# Altium PCB HIL_RIG_REV_1_1.PcbDoc (part 1 of 5)
Units mil, origin at the board's own origin, x right, y up, seen from the top; angles counter-clockwise.
Board outline 16250 x 7870 mil, 6 copper layers (Top Layer, Int1 (GND), Int2 (PWR), Int3 (Sign), Int4 (GND), Bottom Layer), stack 60.566 mil thick; 1117 components, 704 nets, 3589 pads, 6 vias.
Unrouted connection lines stored in the file: 2596.
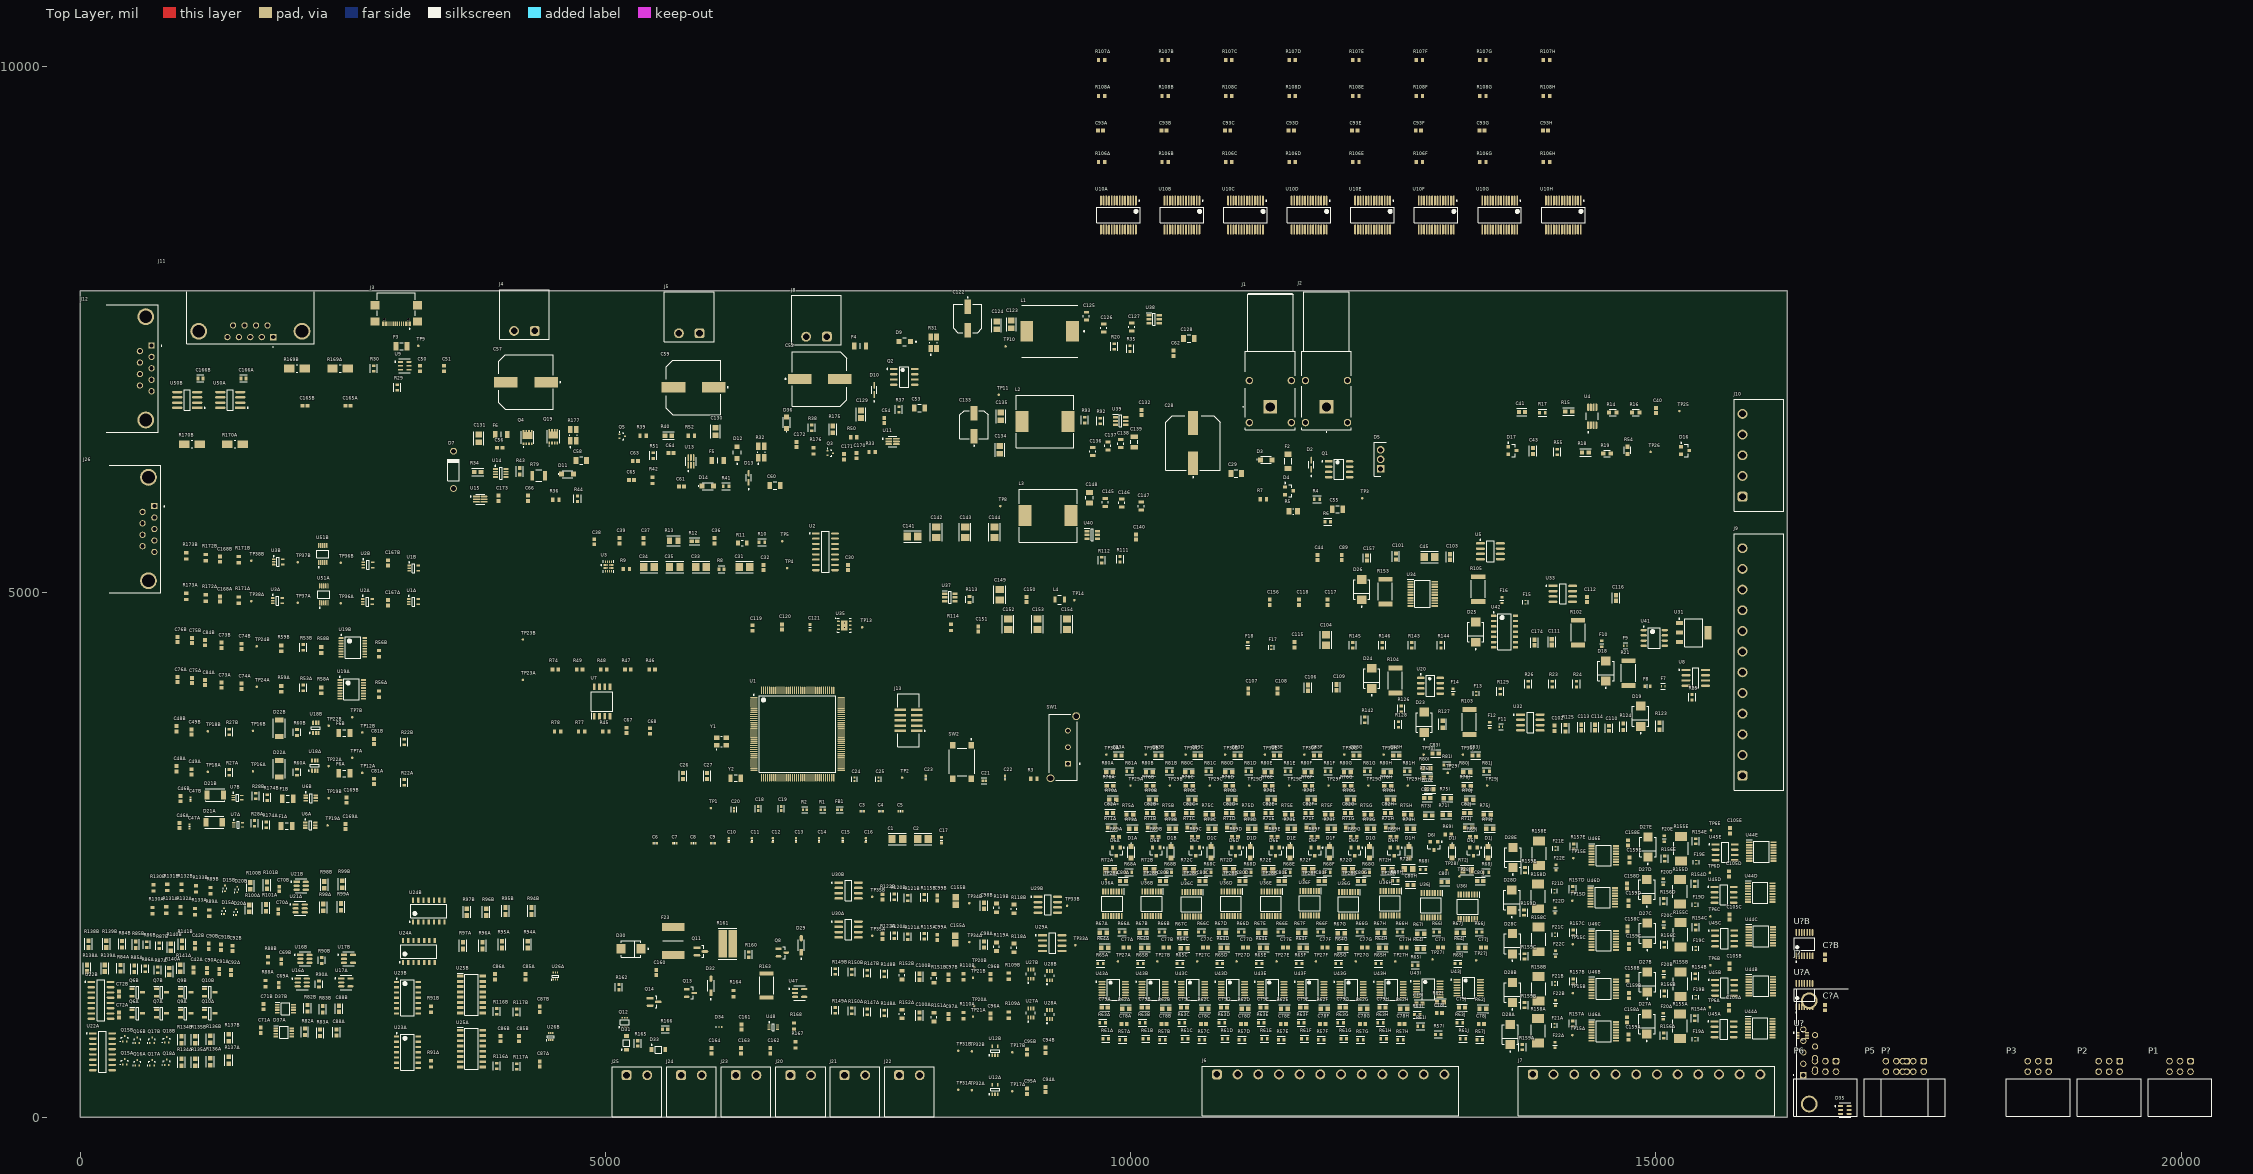
[diagram p0: Top Layer view]
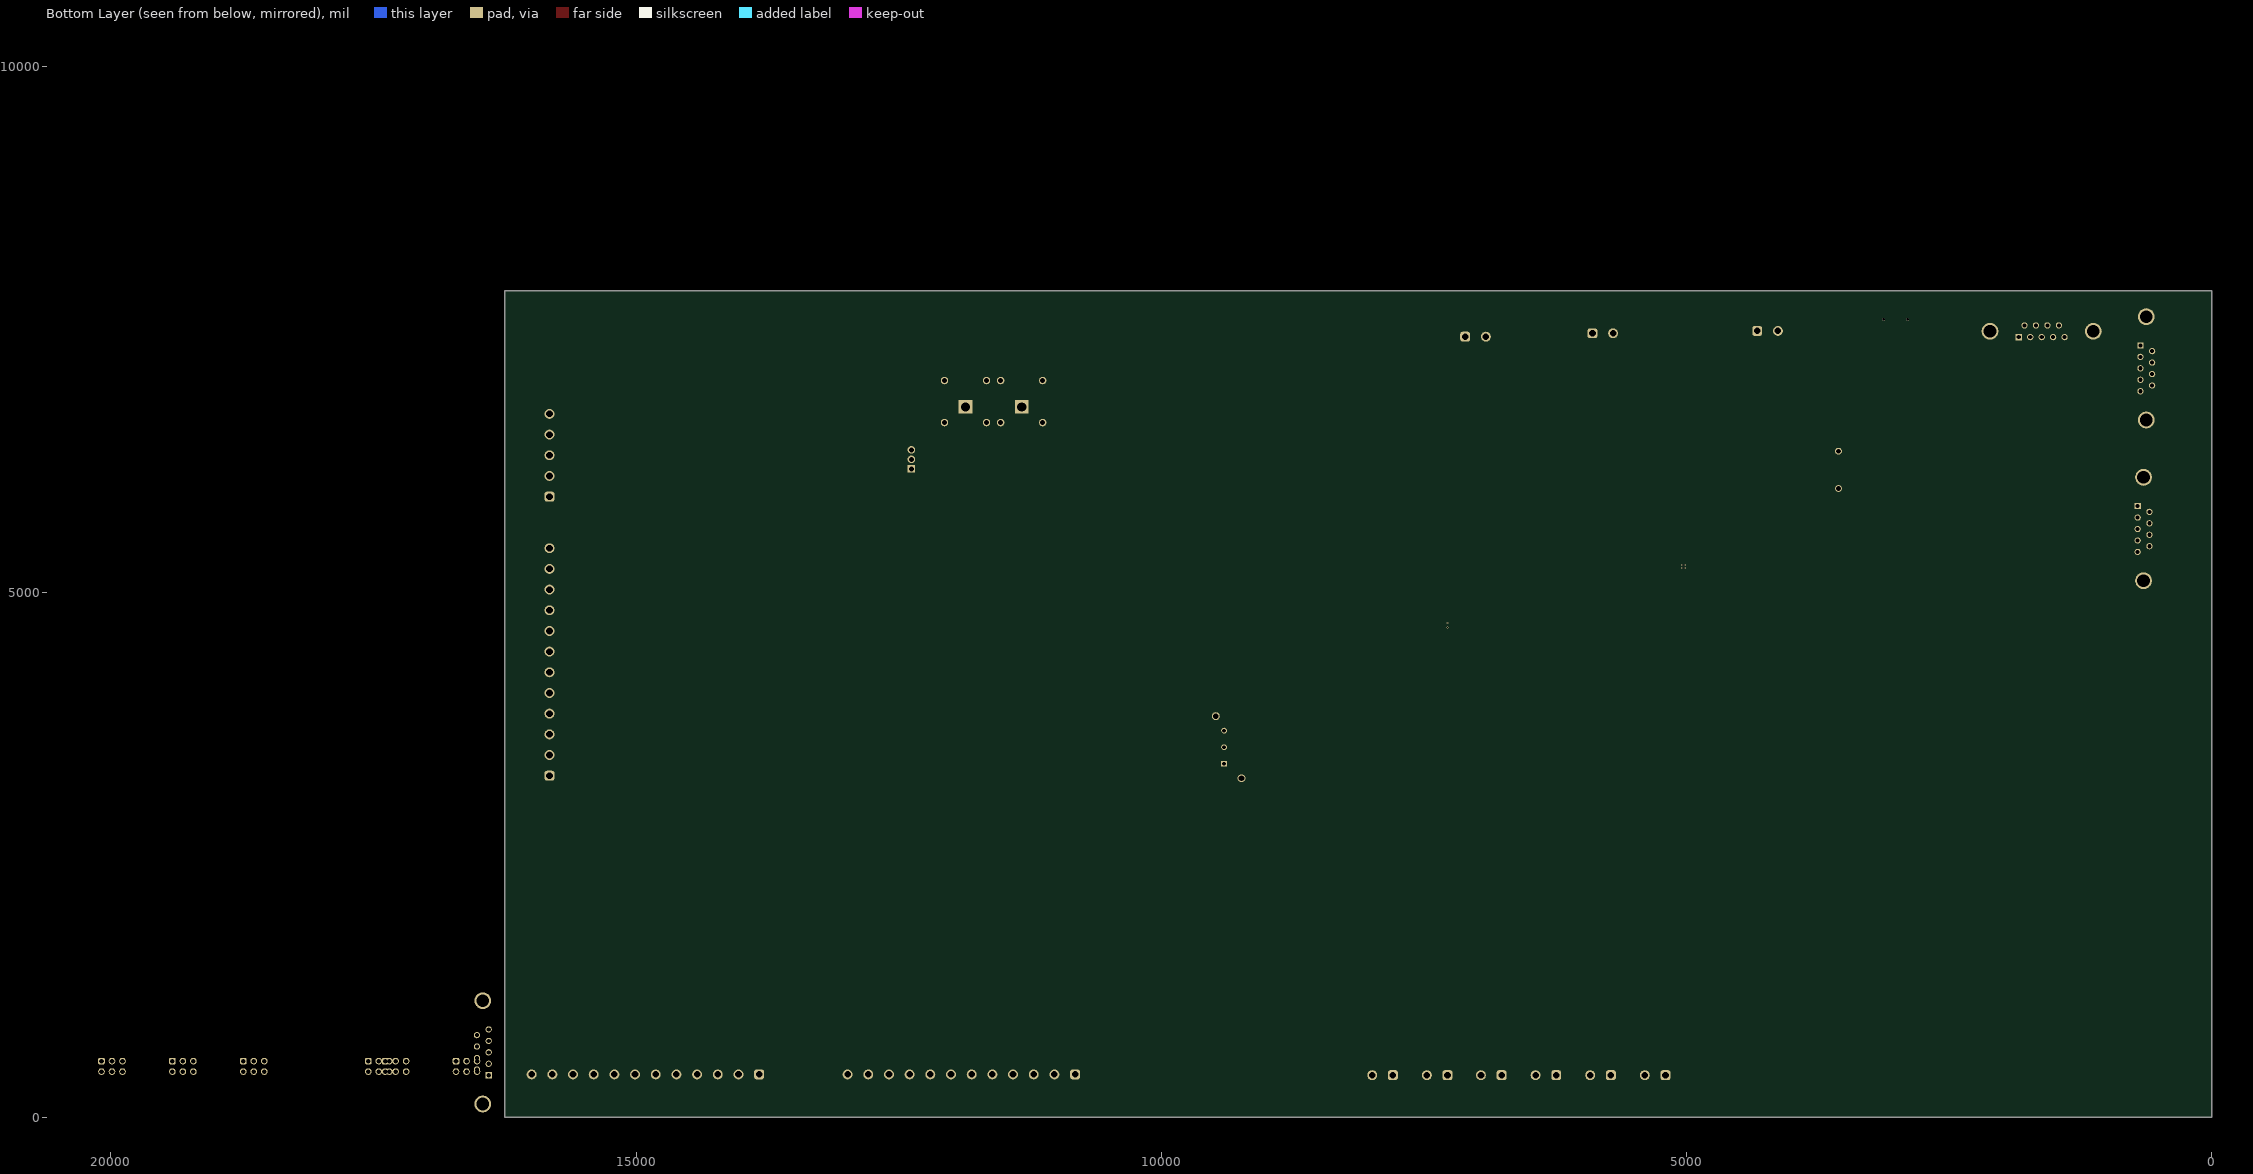
[diagram p1: Bottom Layer view, seen from below]
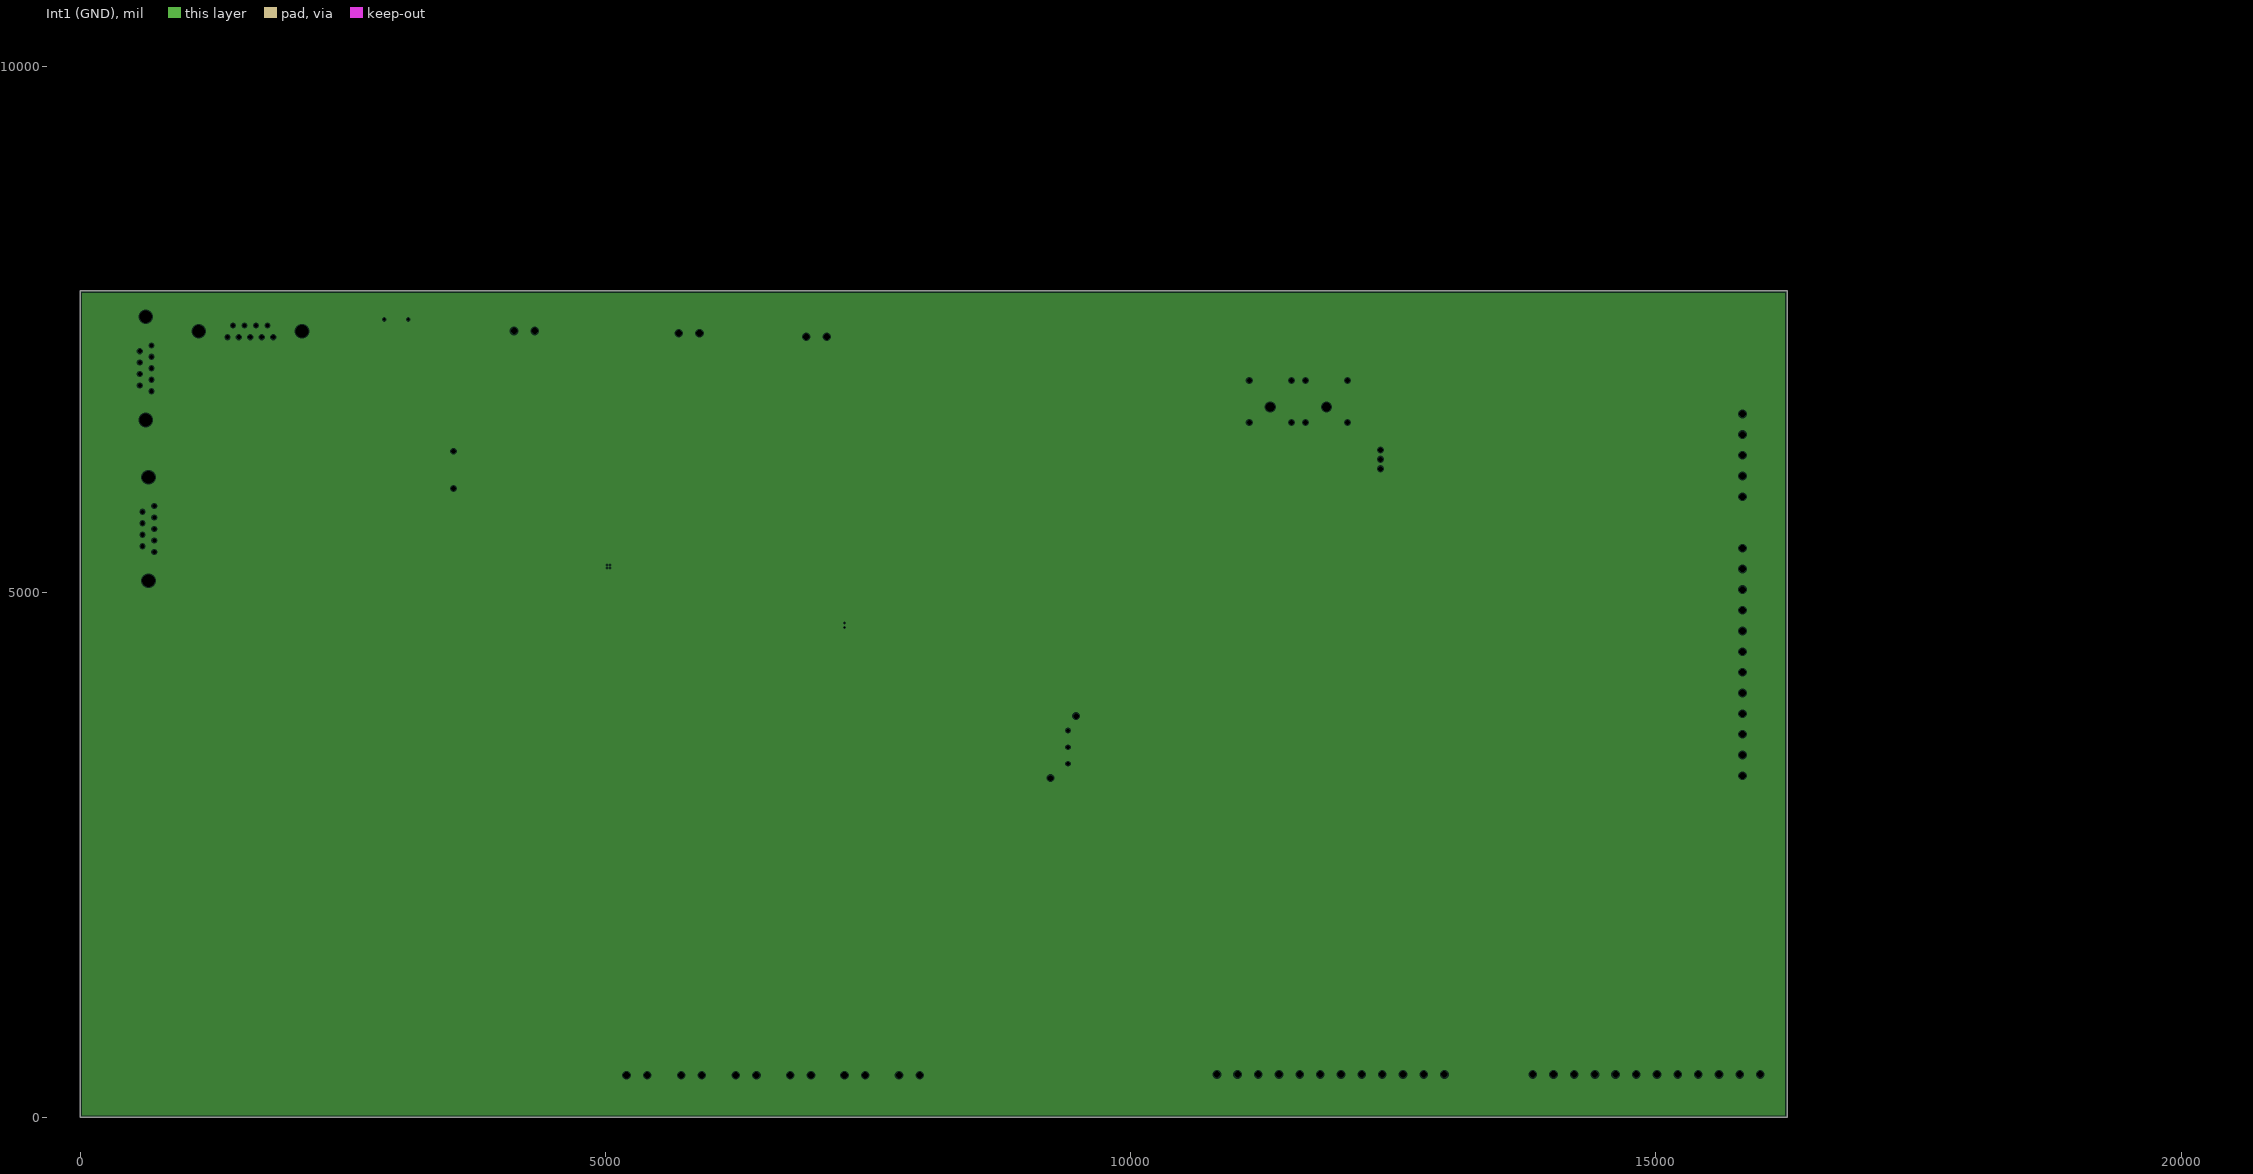
[diagram p2: Int1 (GND), clearances drawn from the general rule]
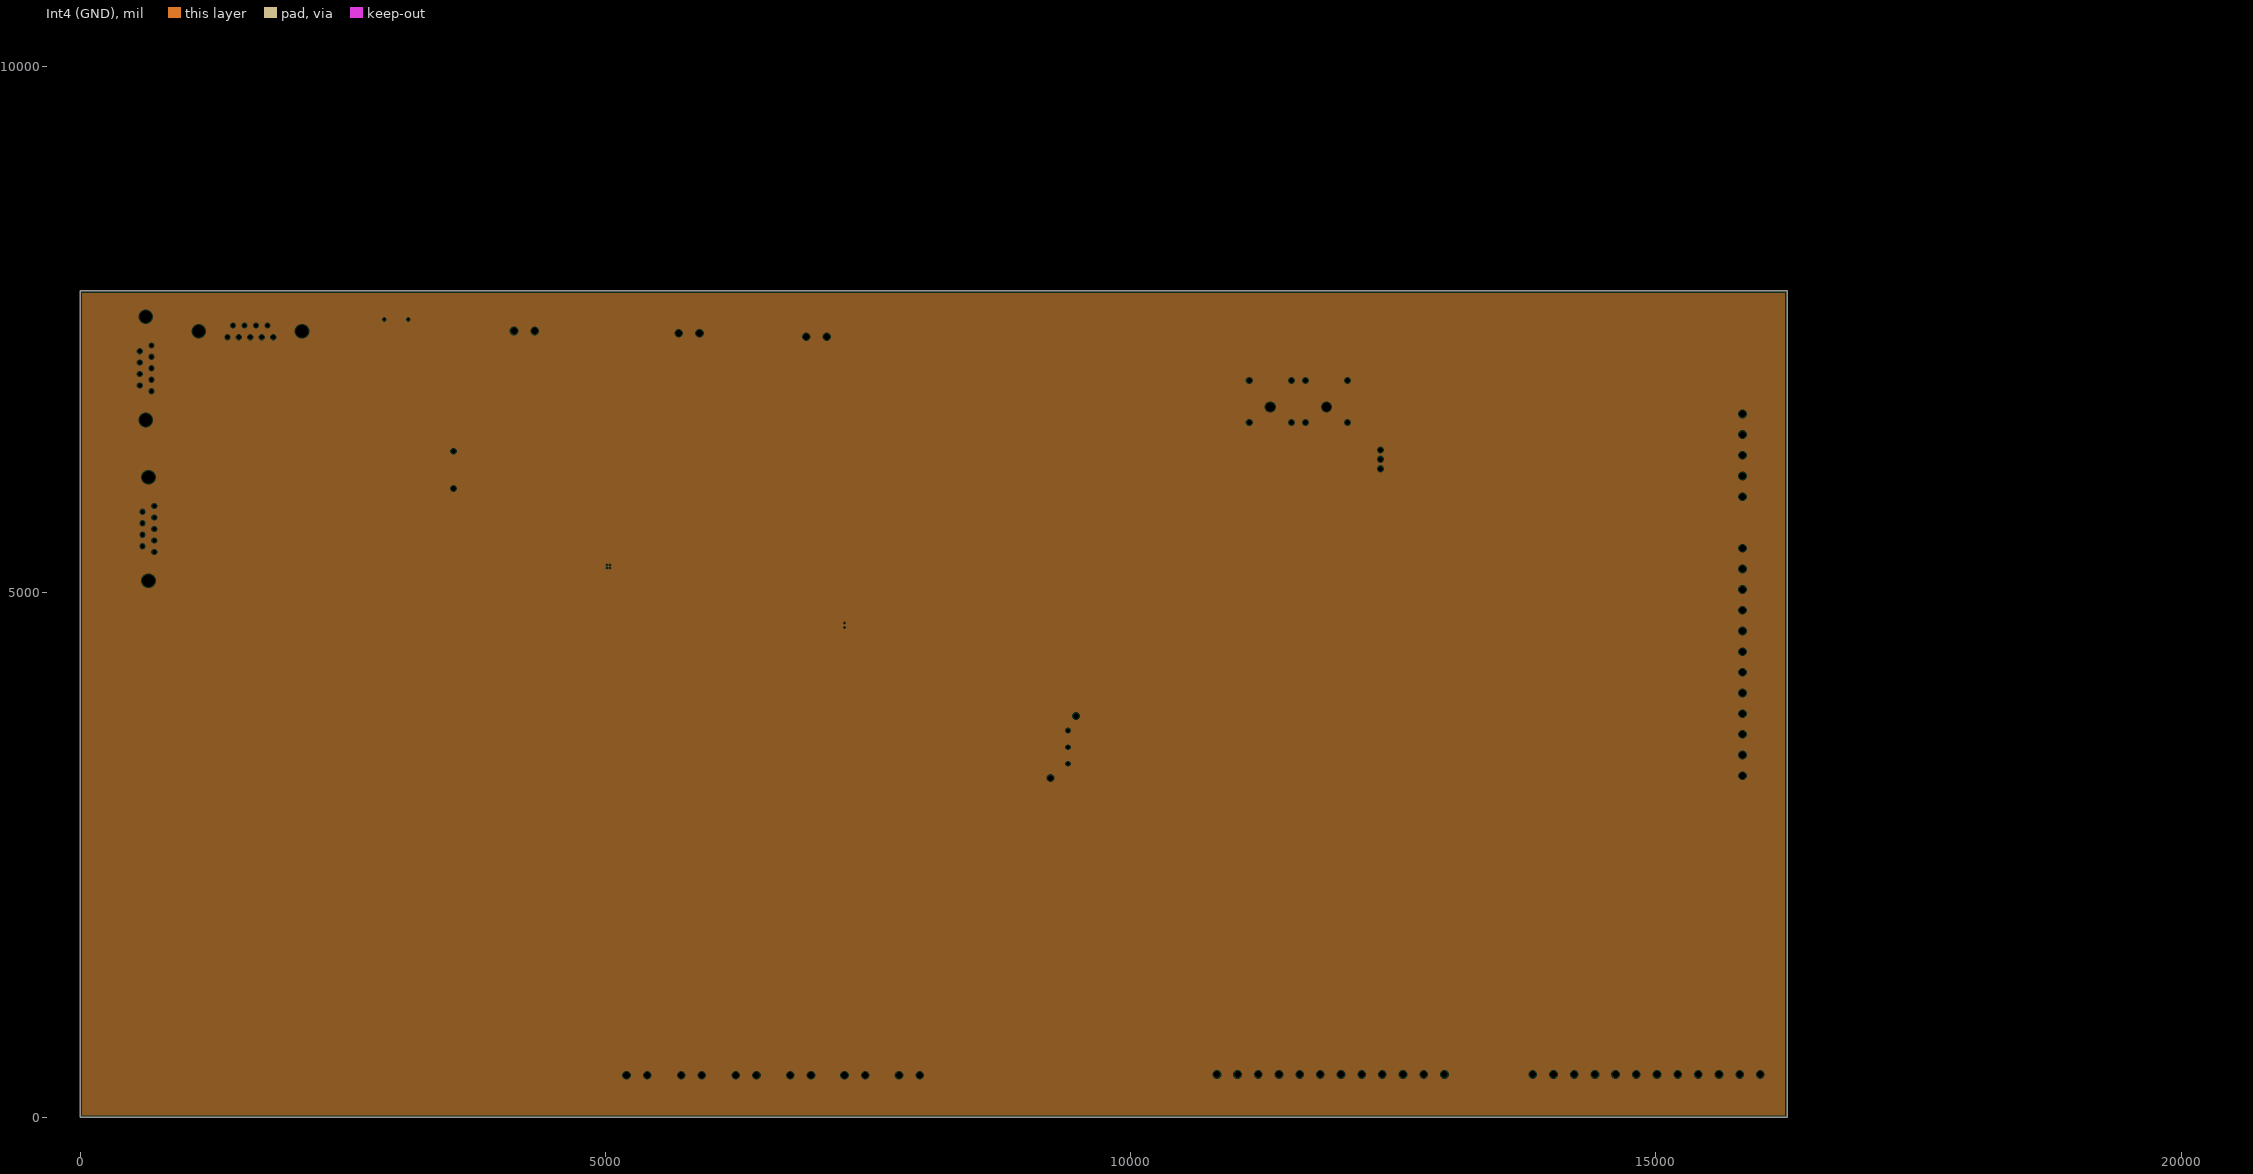
[diagram p3: Int4 (GND), clearances drawn from the general rule]

## Layer stack, top to bottom
Top Solder: solder mask 1, SM-001, Dk 4
Top Layer: signal copper 1.378
Dielectric 1: prepreg 3.9134, PP-006, Dk 4.1
Int1 (GND): plane copper 0.5984
Dielectric 3: core 21.6535, Core-035, Dk 4.6
Int2 (PWR): signal copper 0.598
Dielectric 4: prepreg 2.1417, PP-006, Dk 4.16
Dielectric 5: prepreg 2.1417, PP-006, Dk 4.16
Int3 (Sign): signal copper 0.598
Dielectric 6: core 21.6535, Core-035, Dk 4.6
Int4 (GND): plane copper 0.5984
Dielectric 8: prepreg 3.9134, PP-006, Dk 4.1
Bottom Layer: signal copper 1.378
Bottom Solder: solder mask 1, SM-001, Dk 4

## Board outline
0,0 16250,0 16250,7870 0,7870

## Design rules (kind name [scope] priority, off if disabled: settings)
AcuteAngle [All] p1: minimum=4.50000000000000E+0001 checktracksonly=FALSE
BoardOutlineClearance [All] p1: gap=10 ignorepadtopadclearanceinfootprint=FALSE except(0: Arc-SplitContinuation Track-SplitContinuation SMDPad-SplitContinuation THPad-SplitContinuation Via-SplitContinuation Fill-SplitContinuation Poly-SplitContinuation Region-SplitContinuation Text-SplitContinuation)
Clearance [All] p1: gap=6 ignorepadtopadclearanceinfootprint=FALSE except(8: Arc-THPad Arc-Via Track-THPad Track-Via SMDPad-THPad SMDPad-Via THPad-Fill THPad-Poly THPad-Region THPad-Text Via-Fill Via-Poly Via-Region Via-Text; 10: Arc-Hole Track-Hole SMDPad-Hole THPad-THPad THPad-Via THPad-Hole Via-Via Via-Hole Fill-Hole Poly-Hole Region-Hole Text-Hole)
DiffPairsRouting [All] p1: maxlimit=10 minlimit=10 mostfreqgap=10 toplayer_minwidth=15 toplayer_maxwidth=15 toplayer_prefwidth=15 midlayer1_minwidth=15 midlayer1_maxwidth=15 midlayer1_prefwidth=15 midlayer2_minwidth=15 midlayer2_maxwidth=15 midlayer2_prefwidth=15 bottomlayer_minwidth=15 bottomlayer_maxwidth=15 bottomlayer_prefwidth=15 maxuncoupledlength=500
HoleSize [All] p1: absolutevalues=TRUE maxlimit=100 minlimit=8 maxpercent=80.000 minpercent=20.000
HoleToHoleClearance [All] p1: gap=12 allowstackedmicrovias=TRUE
MinimumAnnularRing [All] p1: minimumring=6
MinimumSolderMaskSliver [All] p1: minsoldermaskwidth=4
PlaneClearance [All] p1: clearance=10
PlaneConnect [All] p1: planeconnectstyle=Direct reliefexpansion=20 reliefentries=4 reliefconductorwidth=10 reliefairgap=10
PolygonConnect [All] p1: connectstyle=Direct reliefconductorwidth=10 reliefentries=4 polygonreliefangle="90 Angle" airgapwidth=10
RoutingVias NormalVia [All] p1: holewidth=12 width=24 viastyle="Through Hole" minholewidth=12 minwidth=24 maxholewidth=12 maxwidth=24 // For Normal Via Usage
RoutingVias DenseVias [All] p2: holewidth=8 width=18 viastyle="Through Hole" minholewidth=8 minwidth=18 maxholewidth=8 maxwidth=18 // For High Density or Low Current
RoutingVias HighCurrentVia [All] p3: holewidth=28 width=50 viastyle="Through Hole" minholewidth=28 minwidth=50 maxholewidth=28 maxwidth=50 // For High Current or Low Impedance
SMDEntry [All] p1: side=TRUE corner=TRUE anyangle=FALSE
SMDNeckDown [All] p1: percent=50.000
SMDToCorner [All] p1: distance=80000
SMDToPlane [All] p1: distance=80000
SilkToSilkClearance [All] p1: silktosilkclearance=20
SilkToSolderMaskClearance [IsPad] p1: minsilkscreentomaskgap=8 clearancetoexposedcopper=TRUE
SolderMaskExpansion [All] p1: expansion=0 istentingtop=TRUE
SupplyNets "Schematic Supply Nets_6" [InNet('12V_REGULATED')] p1: voltage=0.000
SupplyNets "Schematic Supply Nets_5" [InNet('AGND')] p2: voltage=0.000
SupplyNets "Schematic Supply Nets_4" [InNet('24V_REGULATED')] p3: voltage=0.000
SupplyNets "Schematic Supply Nets_3" [InNet('3V3_REGULATED')] p4: voltage=0.000
SupplyNets "Schematic Supply Nets_2" [InNet('VDD_REGULATED')] p5: voltage=0.000
SupplyNets "Schematic Supply Nets_1" [InNet('5V')] p6: voltage=0.000
SupplyNets "Schematic Supply Nets" [InNet('GND')] p7: voltage=0.000
UnConnectedPin [All] p1:
UnRoutedNet [All] p1: checkbadconnections=TRUE
Width DefaultWidth [All] p1: maxlimit=50 minlimit=6 preferedwidth=8 minimp=50.000000 maximp=50.000000 favimp=50.000000 // Default Trace Width
Width DenseWidth [All] p2: maxlimit=8 minlimit=4 preferedwidth=5 minimp=50.000000 maximp=50.000000 favimp=50.000000 // Only for dense routing where needed
21 further rules are at their usual default settings.

## Classes and differential pairs
channel class UART: UART_CH1 UART_CH2
channel class SPI: SPI_CH1 SPI_CH2
channel class PWM_Input: PWM_CAPTURE_CH1 PWM_CAPTURE_CH2
channel class Output_Expander_IC: Output_Expander_IC0 Output_Expander_IC1 Output_Expander_IC2 Output_Expander_IC3 Output_Expander_IC4 Output_Expander_IC5 Output_Expander_IC6 Output_Expander_IC7
channel class I2C: I2C0 I2C1
channel class Digital_Output: "Digital Output0" "Digital Output1" "Digital Output2" "Digital Output3" "Digital Output4"
channel class Digital_Input: "Digital Input0" "Digital Input1" "Digital Input2" "Digital Input3" "Digital Input4" "Digital Input5" "Digital Input6" "Digital Input7" "Digital Input8" "Digital Input9"
channel class CAN: CAN_CH1 CAN_CH2
net class DOUT[0..9]: DOUT0 DOUT1 DOUT2 DOUT3 DOUT4 DOUT5 DOUT6 DOUT7 DOUT8 DOUT9
net class DIN[0..9]: DIN0 DIN1 DIN2 DIN3 DIN4 DIN5 DIN6 DIN7 DIN8 DIN9
net class AOUT[0..5]: AOUT0 AOUT1 AOUT2 AOUT3 AOUT4 AOUT5
component class UART_CH2: C46B C47B C48B C49B C73B C74B C75B C76B C81B C84B C167B C168B C169B D21B D22B F1B F6B R22B R27B R28B R53B R56B R58B R59B R60B R171B R172B R173B R174B TP7B TP12B TP16B TP18B TP19B TP22B TP23B TP24B TP36B TP37B TP38B U1B U2B U3B U6B U7B U18B U19B U51B
component class UART_CH1: C46A C47A C48A C49A C73A C74A C75A C76A C81A C84A C167A C168A C169A D21A D22A F1A F6A R22A R27A R28A R53A R56A R58A R59A R60A R171A R172A R173A R174A TP7A TP12A TP16A TP18A TP19A TP22A TP23A TP24A TP36A TP37A TP38A U1A U2A U3A U6A U7A U18A U19A U51A
component class SPI_CH2: C85B C86B C87B R91B R94B R95B R96B R97B R116B R117B U23B U24B U25B U26B
component class SPI_CH1: C85A C86A C87A R91A R94A R95A R96A R97A R116A R117A U23A U24A U25A U26A
component class PWM_CAPTURE_CH2: C94B C95B C96B C97B C98B C99B C100B C155B R109B R110B R115B R118B R119B R120B R121B R122B R147B R148B R149B R150B R151B R152B TP17B TP20B TP21B TP31B TP32B TP33B TP34B TP35B U12B U27B U28B U29B U30B
component class PWM_CAPTURE_CH1: C94A C95A C96A C97A C98A C99A C100A C155A R109A R110A R115A R118A R119A R120A R121A R122A R147A R148A R149A R150A R151A R152A TP17A TP20A TP21A TP31A TP32A TP33A TP34A TP35A U12A U27A U28A U29A U30A
component class "PWM Output": C160 C161 C162 C163 C164 D29 D30 D31 D32 D33 D34 F23 Q8 Q11 Q12 Q13 Q14 R160 R161 R162 R163 R164 R165 R166 R167 R168 U47 U48 U?
component class Power: C28 C29 C30 C31 C32 C33 C34 C35 C36 C37 C38 C39 C55 D2 D3 D4 D5 F2 Q1 R4 R5 R6 R7 R8 R9 R10 R11 R12 R13 TP3 TP4 TP5 U2 U3
component class Output_Expander_IC7: C93H R106H R107H R108H U10H
component class Output_Expander_IC6: C93G R106G R107G R108G U10G
component class Output_Expander_IC5: C93F R106F R107F R108F U10F
component class Output_Expander_IC4: C93E R106E R107E R108E U10E
component class Output_Expander_IC3: C93D R106D R107D R108D U10D
component class Output_Expander_IC2: C93C R106C R107C R108C U10C
component class Output_Expander_IC1: C93B R106B R107B R108B U10B
component class Output_Expander_IC0: C93A R106A R107A R108A U10A
component class MCU: C1 C2 C3 C4 C5 C6 C7 C8 C9 C10 C11 C12 C13 C14 C15 C16 C17 C18 C19 C20 C21 C22 C23 C24 C25 C26 C27 FB1 R1 R2 R3 SW1 SW2 TP1 TP2 U1 Y1 Y2
component class I2C1: C42B C69B C70B C71B C72B C88B C90B C91B C92B D15B D20B D37B Q6B Q7B Q9B Q10B Q15B Q16B Q17B Q18B R82B R83B R84B R85B R86B R87B R88B R89B R90B R98B R99B R100B R101B R130B R131B R132B R133B R134B R135B R136B R137B R138B R139B R140B R141B U16B U17B U21B U22B
component class I2C0: C42A C69A C70A C71A C72A C88A C90A C91A C92A D15A D20A D37A Q6A Q7A Q9A Q10A Q15A Q16A Q17A Q18A R82A R83A R84A R85A R86A R87A R88A R89A R90A R98A R99A R100A R101A R130A R131A R132A R133A R134A R135A R136A R137A R138A R139A R140A R141A U16A U17A U21A U22A
component class "External Flash": C67 C68 R45 R46 R47 R48 R49 R74 R77 R78 U7
component class "Digital Output4": C105E C158E C159E D27E D28E F19E F20E F21E F22E R154E R155E R156E R157E R158E R159E TP6E TP15E U44E U45E U46E
component class "Digital Output3": C105D C158D C159D D27D D28D F19D F20D F21D F22D R154D R155D R156D R157D R158D R159D TP6D TP15D U44D U45D U46D
component class "Digital Output2": C105C C158C C159C D27C D28C F19C F20C F21C F22C R154C R155C R156C R157C R158C R159C TP6C TP15C U44C U45C U46C
component class "Digital Output1": C105B C158B C159B D27B D28B F19B F20B F21B F22B R154B R155B R156B R157B R158B R159B TP6B TP15B U44B U45B U46B
component class "Digital Output0": C105A C158A C159A D27A D28A F19A F20A F21A F22A R154A R155A R156A R157A R158A R159A TP6A TP15A U44A U45A U46A
component class "Digital Input9": C77J C78J C79J C80J C82J C83J D1J D6J R57J R61J R62J R63J R64J R65J R66J R67J R68J R69J R70J R71J R72J R73J R75J R76J R80J R81J TP27J TP28J TP29J TP30J U36J U43J
component class "Digital Input8": C77I C78I C79I C80I C82I C83I D1I D6I R57I R61I R62I R63I R64I R65I R66I R67I R68I R69I R70I R71I R72I R73I R75I R76I R80I R81I TP27I TP28I TP29I TP30I U36I U43I
component class "Digital Input7": C77H C78H C79H C80H C82H C83H D1H D6H R57H R61H R62H R63H R64H R65H R66H R67H R68H R69H R70H R71H R72H R73H R75H R76H R80H R81H TP27H TP28H TP29H TP30H U36H U43H
component class "Digital Input6": C77G C78G C79G C80G C82G C83G D1G D6G R57G R61G R62G R63G R64G R65G R66G R67G R68G R69G R70G R71G R72G R73G R75G R76G R80G R81G TP27G TP28G TP29G TP30G U36G U43G
component class "Digital Input5": C77F C78F C79F C80F C82F C83F D1F D6F R57F R61F R62F R63F R64F R65F R66F R67F R68F R69F R70F R71F R72F R73F R75F R76F R80F R81F TP27F TP28F TP29F TP30F U36F U43F
component class "Digital Input4": C77E C78E C79E C80E C82E C83E D1E D6E R57E R61E R62E R63E R64E R65E R66E R67E R68E R69E R70E R71E R72E R73E R75E R76E R80E R81E TP27E TP28E TP29E TP30E U36E U43E
component class "Digital Input3": C77D C78D C79D C80D C82D C83D D1D D6D R57D R61D R62D R63D R64D R65D R66D R67D R68D R69D R70D R71D R72D R73D R75D R76D R80D R81D TP27D TP28D TP29D TP30D U36D U43D
component class "Digital Input2": C77C C78C C79C C80C C82C C83C D1C D6C R57C R61C R62C R63C R64C R65C R66C R67C R68C R69C R70C R71C R72C R73C R75C R76C R80C R81C TP27C TP28C TP29C TP30C U36C U43C
component class "Digital Input1": C77B C78B C79B C80B C82B C83B D1B D6B R57B R61B R62B R63B R64B R65B R66B R67B R68B R69B R70B R71B R72B R73B R75B R76B R80B R81B TP27B TP28B TP29B TP30B U36B U43B
component class "Digital Input0": C77A C78A C79A C80A C82A C83A D1A D6A R57A R61A R62A R63A R64A R65A R66A R67A R68A R69A R70A R71A R72A R73A R75A R76A R80A R81A TP27A TP28A TP29A TP30A U36A U43A
component class Connectors: C50 C51 D8 D35 F3 J1 J2 J3 J4 J5 J6 J7 J8 J9 J10 J11 J12 J13 J20 J21 J22 J23 J24 J25 J26 J? P1 P2 P3 P5 P6 P? R29 R30 TP9 U9
component class CAN_CH2: C165B C166B C?B R169B R170B U50B U?B
component class CAN_CH1: C165A C166A C?A R169A R170A U50A U?A
component class "Analogue Output": C44 C45 C89 C101 C102 C103 C104 C106 C107 C108 C109 C110 C111 C112 C113 C114 C115 C116 C117 C118 C156 C157 C174 D18 D19 D23 D24 D25 D26 F7 F8 F9 F10 F11 F12 F13 F14 F15 F16 F17 F18 R21 R23 R24 R25 R26 R102 R103 R104 R105 R123 R124 R125 R126 R127 R128 R129 R142 R143 R144 R145 R146 R153 U5 U8 U20 U31 U32 U33 U34 U41 U42
component class "Analogue Input": C40 C41 C43 D16 D17 R14 R15 R16 R17 R18 R19 R54 R55 TP25 TP26 U4
component class 24V: C52 C53 C54 C62 C122 C123 C124 C125 C126 C127 C128 C129 C170 C171 C172 D9 D10 D36 F4 L1 Q2 Q3 R20 R31 R33 R35 R37 R38 R50 R175 R176 TP10 U11 U38
component class 12V: C59 C60 C61 C63 C64 C65 C130 C132 C133 C134 C135 C136 C137 C138 C139 D12 D13 D14 F5 L2 Q5 R32 R39 R40 R41 R42 R51 R52 R92 R93 TP11 U13 U39
component class 5V: C56 C57 C58 C66 C131 C140 C141 C142 C143 C144 C145 C146 C147 C148 C173 D7 D11 F6 L3 Q4 Q19 R34 R36 R43 R44 R79 R111 R112 R177 TP8 U14 U15 U40
component class 3V3_Smooth: C119 C120 C121 TP13 U35
component class 3V3_High_Current: C149 C150 C151 C152 C153 C154 L4 R113 R114 TP14 U37
differential pair USB_D: +USB_D_P -USB_D_N
differential pair CON_D: +CON_D_P -CON_D_N
differential pair CAN_CH2: +CAN_CH2_H -CAN_CH2_L
differential pair CAN_CH1: +CAN_CH1_H -CAN_CH1_L
